# Altium PCB POV_LED.PcbDoc (part 1 of 2)
Units mm, origin at the board's own origin, x right, y up, seen from the top; angles counter-clockwise.
Board outline 40 x 140 mm, 2 copper layers (Top Layer, Bottom Layer); 331 components, 319 nets, 969 pads, 326 vias.
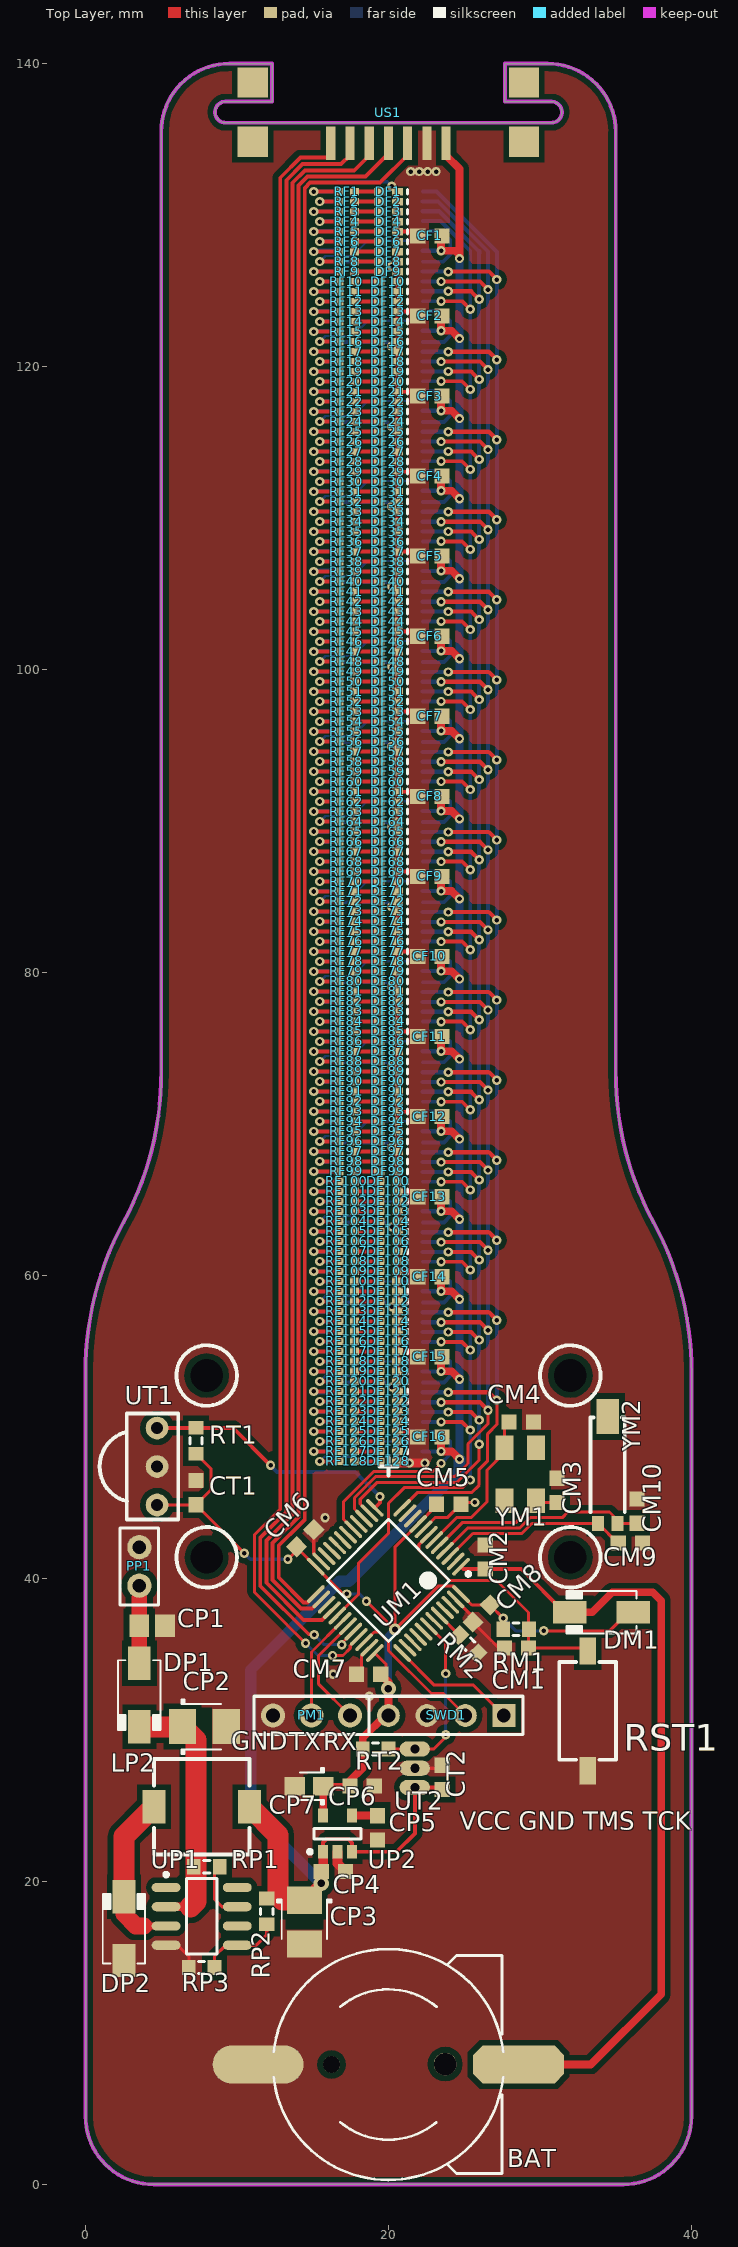
[diagram p0: Top Layer view]
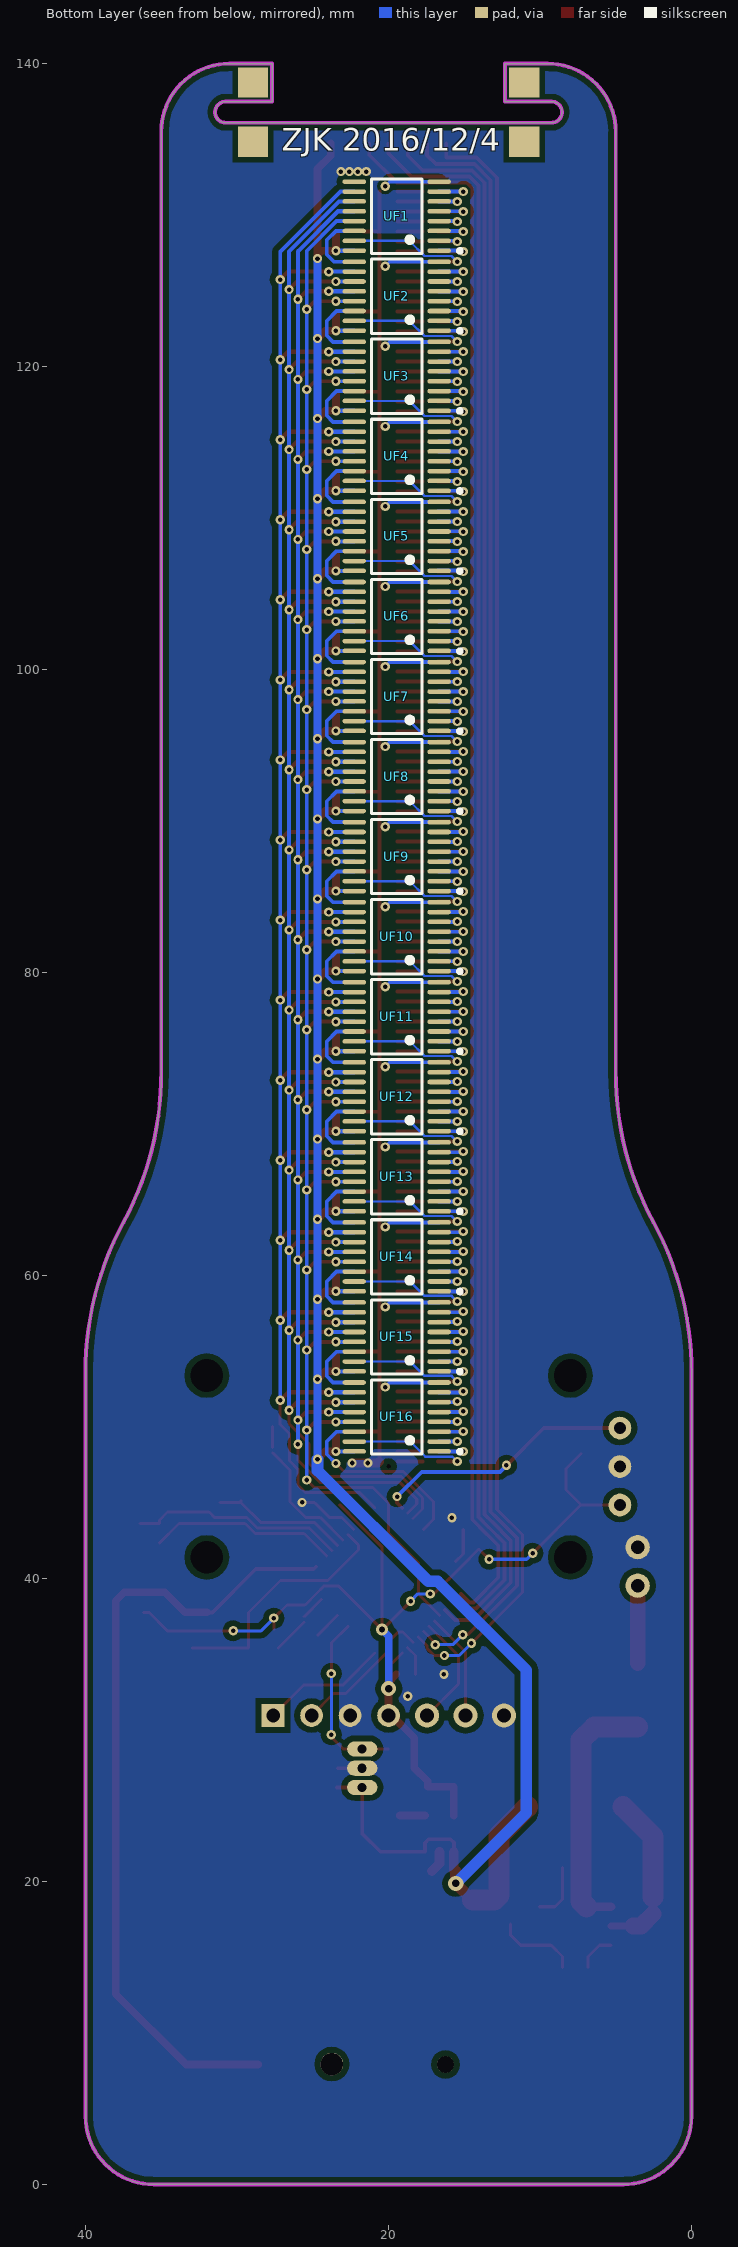
[diagram p1: Bottom Layer view, seen from below]

## Layer stack, top to bottom
Top Layer: signal copper 0.0356
Dielectric: dielectric 0.32, FR-4, Dk 4.8
Bottom Layer: signal copper 0.0356

## Board outline
0,4.5 0,53.5 cw(c20.686,53.641) 2.5,63.5 ccw(c-15.686,73.359) 5,73.5 5,135.5 cw(c9.5,135.5) 9.5,140 12.317,140 12.317,137.488 9.247,137.488 ccw(c9.247,136.788) 9.247,136.088 30.747,136.088 ccw(c30.747,136.788) 30.747,137.488 30.754,137.485 27.683,137.485 27.683,139.998 30.5,140 cw(c30.5,135.5) 35,135.5 35,73.5 ccw(c55.686,73.359) 37.5,63.5 cw(c19.314,53.641) 40,53.5 40,4.5 cw(c35.5,4.5) 35.5,0 4.5,0 cw(c4.5,4.5)

## Design rules (kind name [scope] priority, off if disabled: settings)
Clearance Clearance_1 [InPolygon] p1: gap=0.381
Clearance [All] p2: gap=0.152
PolygonConnect [All] p1: connectstyle=Relief reliefconductorwidth=0.152 reliefentries=4 polygonreliefangle="90 Angle" airgapwidth=-0.381
RoutingVias [All] p1: holewidth=0.711 width=1.27 viastyle="Through Hole" minholewidth=0.711 minwidth=1.27 maxholewidth=0.711 maxwidth=1.27
SolderMaskExpansion [All] p1: expansion=0.102
Width [All] p1: maxlimit=1.524 minlimit=0.152 preferedwidth=0.203
28 further rules are at their usual default settings.

## Classes and differential pairs
component class U_POWER: CP1 CP2 CP3 CP4 CP5 CP6 CP7 DP1 DP2 LP2 PP1 RP1 RP2 RP3 UP1 UP2
component class U_STM32F103C8: BAT CM1 CM2 CM3 CM4 CM5 CM6 CM7 CM8 CM9 CM10 DM1 PM1 RM1 RM2 RST1 SWD1 UM1 YM1 YM2
component class U_SOLID_LED: US1
component class U_FLAT_LED: CF1 CF2 CF3 CF4 CF5 CF6 CF7 CF8 CF9 CF10 CF11 CF12 CF13 CF14 CF15 CF16 DF1 DF2 DF3 DF4 DF5 DF6 DF7 DF8 DF9 DF10 DF11 DF12 DF13 DF14 DF15 DF16 DF17 DF18 DF19 DF20 DF21 DF22 DF23 DF24 DF25 DF26 DF27 DF28 DF29 DF30 DF31 DF32 DF33 DF34 DF35 DF36 DF37 DF38 DF39 DF40 DF41 DF42 DF43 DF44 DF45 DF46 DF47 DF48 DF49 DF50 DF51 DF52 DF53 DF54 DF55 DF56 DF57 DF58 DF59 DF60 DF61 DF62 DF63 DF64 DF65 DF66 DF67 DF68 DF69 DF70 DF71 DF72 DF73 DF74 DF75 DF76 DF77 DF78 DF79 DF80 DF81 DF82 DF83 DF84 DF85 DF86 DF87 DF88 DF89 DF90 DF91 DF92 DF93 DF94 DF95 DF96 DF97 DF98 DF99 DF100 DF101 DF102 DF103 DF104 DF105 DF106 DF107 DF108 DF109 DF110 DF111 DF112 DF113 DF114 DF115 DF116 DF117 DF118 DF119 DF120 DF121 DF122 DF123 DF124 DF125 DF126 DF127 DF128 RF1 RF2 RF3 RF4 RF5 RF6 RF7 RF8 RF9 RF10 RF11 RF12 RF13 RF14 RF15 RF16 RF17 RF18 RF19 RF20 RF21 RF22 RF23 RF24 RF25 RF26 RF27 RF28 RF29 RF30 RF31 RF32 RF33 RF34 RF35 RF36 RF37 RF38 RF39 RF40 RF41 RF42 RF43 RF44 RF45 RF46 RF47 RF48 RF49 RF50 RF51 RF52 RF53 RF54 RF55 RF56 RF57 RF58 RF59 RF60 RF61 RF62 RF63 RF64 RF65 RF66 RF67 RF68 RF69 RF70 RF71 RF72 RF73 RF74 RF75 RF76 RF77 RF78 RF79 RF80 RF81 RF82 RF83 RF84 RF85 RF86 RF87 RF88 RF89 RF90 RF91 RF92 RF93 RF94 RF95 RF96 RF97 RF98 RF99 RF100 RF101 RF102 RF103 RF104 RF105 RF106 RF107 RF108 RF109 RF110 RF111 RF112 RF113 RF114 RF115 RF116 RF117 RF118 RF119 RF120 RF121 RF122 RF123 RF124 RF125 RF126 RF127 RF128 UF1 UF2 UF3 UF4 UF5 UF6 UF7 UF8 UF9 UF10 UF11 UF12 UF13 UF14 UF15 UF16
component class U_SENSOR: CT1 CT2 RT1 RT2 UT1 UT2

## Components (designator, comment, footprint, x,y, rotation, side; value= is the part's Value field where it differs from the comment)
BAT "BATT" BATM 19.99,7.92 r90 top
CF1 "Cap1" CAPC1608N 22.731,128.62 r0 top
CF2 "Cap1" CAPC1608N 22.731,123.335 r0 top
CF3 "Cap1" CAPC1608N 22.731,118.051 r0 top
CF4 "Cap1" CAPC1608N 22.731,112.766 r0 top
CF5 "Cap1" CAPC1608N 22.731,107.481 r0 top
CF6 "Cap1" CAPC1608N 22.731,102.196 r0 top
CF7 "Cap1" CAPC1608N 22.731,96.911 r0 top
CF8 "Cap1" CAPC1608N 22.731,91.626 r0 top
CF9 "Cap1" CAPC1608N 22.731,86.341 r0 top
CF10 "Cap1" CAPC1608N 22.731,81.056 r0 top
CF11 "Cap1" CAPC1608N 22.731,75.771 r0 top
CF12 "Cap1" CAPC1608N 22.731,70.487 r0 top
CF13 "Cap1" CAPC1608N 22.731,65.202 r0 top
CF14 "Cap1" CAPC1608N 22.731,59.917 r0 top
CF15 "Cap1" CAPC1608N 22.731,54.632 r0 top
CF16 "Cap1" CAPC1608N 22.731,49.347 r0 top
CM1 "Cap1" CAPC1608N 28.446,35.402 r0 top
CM2 "Cap1" CAPC1608N 26.391,41.422 r270 top
CM3 "Cap1" CAPC1608N 31.113,45.816 r270 top
CM4 "Cap1" CAPC1608N 28.763,50.338 r180 top
CM5 "Cap1" CAPC1608N 23.975,44.902 r180 top
CM6 "Cap1" CAPC1608N 14.501,42.667 r225 top
CM7 "Cap1" CAPC1608N 18.692,33.675 r0 top
CM8 "Cap1" CAPC1608N 26.134,37.688 r45 top
CM9 "Cap1" CAPC1608N 35.964,42.337 r180 top
CM10 "Cap1" CAPC1608N 36.409,44.445 r270 top
CP1 "Cap1" CAPC2012N 4.394,36.881 r180 top
CP2 "Cap_Tan" CAP_TAN_B1210 7.849,30.221 r0 top
CP3 "Cap_Tan" CAP_TAN_B1210 14.453,17.318 r270 top
CP4 "Cap1" CAPC1608N 16.358,20.67 r180 top
CP5 "Cap1" CAPC1608N 19.279,23.541 r90 top
CP6 "Cap1" CAPC1608N 18.263,26.309 r180 top
CP7 "Cap_Tan" CAP_TAN_P0805 14.757,26.284 r180 top
CT1 "Cap1" CAPC1608N 7.29,45.664 r90 top
CT2 "Cap1" CAPC1608N 23.544,26.868 r90 top
DF1 "" CD1005-0402-L 19.397,131.546 r0 top
DF2 "" CD1005-0402-L 19.397,130.886 r0 top
DF3 "" CD1005-0402-L 19.397,130.226 r0 top
DF4 "" CD1005-0402-L 19.397,129.566 r0 top
DF5 "" CD1005-0402-L 19.397,128.906 r0 top
DF6 "" CD1005-0402-L 19.397,128.247 r0 top
DF7 "" CD1005-0402-L 19.397,127.587 r0 top
DF8 "" CD1005-0402-L 19.397,126.927 r0 top
DF9 "" CD1005-0402-L 19.397,126.267 r0 top
DF10 "" CD1005-0402-L 19.397,125.607 r0 top
DF11 "" CD1005-0402-L 19.397,124.947 r0 top
DF12 "" CD1005-0402-L 19.397,124.287 r0 top
DF13 "" CD1005-0402-L 19.397,123.627 r0 top
DF14 "" CD1005-0402-L 19.397,122.967 r0 top
DF15 "" CD1005-0402-L 19.397,122.307 r0 top
DF16 "" CD1005-0402-L 19.397,121.647 r0 top
DF17 "" CD1005-0402-L 19.397,120.987 r0 top
DF18 "" CD1005-0402-L 19.397,120.327 r0 top
DF19 "" CD1005-0402-L 19.397,119.667 r0 top
DF20 "" CD1005-0402-L 19.397,119.007 r0 top
DF21 "" CD1005-0402-L 19.397,118.347 r0 top
DF22 "" CD1005-0402-L 19.397,117.687 r0 top
DF23 "" CD1005-0402-L 19.397,117.027 r0 top
DF24 "" CD1005-0402-L 19.397,116.367 r0 top
DF25 "" CD1005-0402-L 19.397,115.707 r0 top
DF26 "" CD1005-0402-L 19.397,115.047 r0 top
DF27 "" CD1005-0402-L 19.397,114.387 r0 top
DF28 "" CD1005-0402-L 19.397,113.727 r0 top
DF29 "" CD1005-0402-L 19.397,113.067 r0 top
DF30 "" CD1005-0402-L 19.397,112.407 r0 top
DF31 "" CD1005-0402-L 19.397,111.747 r0 top
DF32 "" CD1005-0402-L 19.397,111.087 r0 top
DF33 "" CD1005-0402-L 19.397,110.427 r0 top
DF34 "" CD1005-0402-L 19.397,109.767 r0 top
DF35 "" CD1005-0402-L 19.397,109.107 r0 top
DF36 "" CD1005-0402-L 19.397,108.447 r0 top
DF37 "" CD1005-0402-L 19.397,107.787 r0 top
DF38 "" CD1005-0402-L 19.397,107.127 r0 top
DF39 "" CD1005-0402-L 19.397,106.467 r0 top
DF40 "" CD1005-0402-L 19.397,105.807 r0 top
DF41 "" CD1005-0402-L 19.397,105.147 r0 top
DF42 "" CD1005-0402-L 19.397,104.487 r0 top
DF43 "" CD1005-0402-L 19.397,103.827 r0 top
DF44 "" CD1005-0402-L 19.397,103.167 r0 top
DF45 "" CD1005-0402-L 19.397,102.507 r0 top
DF46 "" CD1005-0402-L 19.397,101.847 r0 top
DF47 "" CD1005-0402-L 19.397,101.187 r0 top
DF48 "" CD1005-0402-L 19.397,100.527 r0 top
DF49 "" CD1005-0402-L 19.397,99.867 r0 top
DF50 "" CD1005-0402-L 19.397,99.207 r0 top
DF51 "" CD1005-0402-L 19.397,98.547 r0 top
DF52 "" CD1005-0402-L 19.397,97.887 r0 top
DF53 "" CD1005-0402-L 19.397,97.227 r0 top
DF54 "" CD1005-0402-L 19.397,96.567 r0 top
DF55 "" CD1005-0402-L 19.397,95.907 r0 top
DF56 "" CD1005-0402-L 19.397,95.247 r0 top
DF57 "" CD1005-0402-L 19.397,94.587 r0 top
DF58 "" CD1005-0402-L 19.397,93.927 r0 top
DF59 "" CD1005-0402-L 19.397,93.267 r0 top
DF60 "" CD1005-0402-L 19.397,92.607 r0 top
DF61 "" CD1005-0402-L 19.397,91.947 r0 top
DF62 "" CD1005-0402-L 19.397,91.287 r0 top
DF63 "" CD1005-0402-L 19.397,90.627 r0 top
DF64 "" CD1005-0402-L 19.397,89.967 r0 top
DF65 "" CD1005-0402-L 19.397,89.307 r0 top
DF66 "" CD1005-0402-L 19.397,88.647 r0 top
DF67 "" CD1005-0402-L 19.397,87.987 r0 top
DF68 "" CD1005-0402-L 19.397,87.327 r0 top
DF69 "" CD1005-0402-L 19.397,86.667 r0 top
DF70 "" CD1005-0402-L 19.397,86.007 r0 top
DF71 "" CD1005-0402-L 19.397,85.347 r0 top
DF72 "" CD1005-0402-L 19.397,84.687 r0 top
DF73 "" CD1005-0402-L 19.397,84.027 r0 top
DF74 "" CD1005-0402-L 19.397,83.367 r0 top
DF75 "" CD1005-0402-L 19.397,82.707 r0 top
DF76 "" CD1005-0402-L 19.397,82.047 r0 top
DF77 "" CD1005-0402-L 19.397,81.387 r0 top
DF78 "" CD1005-0402-L 19.397,80.727 r0 top
DF79 "" CD1005-0402-L 19.397,80.067 r0 top
DF80 "" CD1005-0402-L 19.397,79.407 r0 top
DF81 "" CD1005-0402-L 19.397,78.747 r0 top
DF82 "" CD1005-0402-L 19.397,78.087 r0 top
DF83 "" CD1005-0402-L 19.397,77.427 r0 top
DF84 "" CD1005-0402-L 19.397,76.767 r0 top
DF85 "" CD1005-0402-L 19.397,76.107 r0 top
DF86 "" CD1005-0402-L 19.397,75.447 r0 top
DF87 "" CD1005-0402-L 19.397,74.787 r0 top
DF88 "" CD1005-0402-L 19.397,74.127 r0 top
DF89 "" CD1005-0402-L 19.397,73.467 r0 top
DF90 "" CD1005-0402-L 19.397,72.807 r0 top
DF91 "" CD1005-0402-L 19.397,72.147 r0 top
DF92 "" CD1005-0402-L 19.397,71.487 r0 top
DF93 "" CD1005-0402-L 19.397,70.827 r0 top
DF94 "" CD1005-0402-L 19.397,70.167 r0 top
DF95 "" CD1005-0402-L 19.397,69.507 r0 top
DF96 "" CD1005-0402-L 19.397,68.847 r0 top
DF97 "" CD1005-0402-L 19.397,68.187 r0 top
DF98 "" CD1005-0402-L 19.397,67.527 r0 top
DF99 "" CD1005-0402-L 19.397,66.867 r0 top
DF100 "" CD1005-0402-L 19.397,66.207 r0 top
DF101 "" CD1005-0402-L 19.397,65.547 r0 top
DF102 "" CD1005-0402-L 19.397,64.887 r0 top
DF103 "" CD1005-0402-L 19.397,64.227 r0 top
DF104 "" CD1005-0402-L 19.397,63.567 r0 top
DF105 "" CD1005-0402-L 19.397,62.907 r0 top
DF106 "" CD1005-0402-L 19.397,62.247 r0 top
DF107 "" CD1005-0402-L 19.397,61.587 r0 top
DF108 "" CD1005-0402-L 19.397,60.927 r0 top
DF109 "" CD1005-0402-L 19.397,60.267 r0 top
DF110 "" CD1005-0402-L 19.397,59.607 r0 top
DF111 "" CD1005-0402-L 19.397,58.947 r0 top
DF112 "" CD1005-0402-L 19.397,58.287 r0 top
DF113 "" CD1005-0402-L 19.397,57.627 r0 top
DF114 "" CD1005-0402-L 19.397,56.967 r0 top
DF115 "" CD1005-0402-L 19.397,56.307 r0 top
DF116 "" CD1005-0402-L 19.397,55.647 r0 top
DF117 "" CD1005-0402-L 19.397,54.987 r0 top
DF118 "" CD1005-0402-L 19.397,54.327 r0 top
DF119 "" CD1005-0402-L 19.397,53.667 r0 top
DF120 "" CD1005-0402-L 19.397,53.007 r0 top
DF121 "" CD1005-0402-L 19.397,52.347 r0 top
DF122 "" CD1005-0402-L 19.397,51.687 r0 top
DF123 "" CD1005-0402-L 19.397,51.027 r0 top
DF124 "" CD1005-0402-L 19.397,50.367 r0 top
DF125 "" CD1005-0402-L 19.397,49.707 r0 top
DF126 "" CD1005-0402-L 19.397,49.047 r0 top
DF127 "" CD1005-0402-L 19.397,48.387 r0 top
DF128 "" CD1005-0402-L 19.397,47.727 r0 top
DM1 "D Schottky" DO-214AC 34.061,37.765 r180 top
DP1 "SS34" DO-214AC 3.556,32.304 r270 top
DP2 "SS34" DO-214AC 2.54,16.886 r90 top
LP2 "Inductor" IND_7032 4.519,24.938 r0 top
PM1 "Header 3" HDR1X3 17.457,30.957 r180 top
PP1 "Header 2" HDR1X2 3.556,42.065 r270 top
RF1 "Res1" RESC1005L-0.5 17.244,131.546 r0 top
RF2 "Res1" RESC1005L-0.5 17.244,130.886 r0 top
RF3 "Res1" RESC1005L-0.5 17.244,130.226 r0 top
RF4 "Res1" RESC1005L-0.5 17.244,129.566 r0 top
RF5 "Res1" RESC1005L-0.5 17.244,128.906 r0 top
RF6 "Res1" RESC1005L-0.5 17.244,128.247 r0 top
RF7 "Res1" RESC1005L-0.5 17.244,127.587 r0 top
RF8 "Res1" RESC1005L-0.5 17.244,126.927 r0 top
RF9 "Res1" RESC1005L-0.5 17.244,126.267 r0 top
RF10 "Res1" RESC1005L-0.5 17.244,125.607 r0 top
RF11 "Res1" RESC1005L-0.5 17.244,124.947 r0 top
RF12 "Res1" RESC1005L-0.5 17.244,124.287 r0 top
RF13 "Res1" RESC1005L-0.5 17.244,123.627 r0 top
RF14 "Res1" RESC1005L-0.5 17.244,122.967 r0 top
RF15 "Res1" RESC1005L-0.5 17.244,122.307 r0 top
RF16 "Res1" RESC1005L-0.5 17.244,121.647 r0 top
RF17 "Res1" RESC1005L-0.5 17.244,120.987 r0 top
RF18 "Res1" RESC1005L-0.5 17.244,120.327 r0 top
RF19 "Res1" RESC1005L-0.5 17.244,119.667 r0 top
RF20 "Res1" RESC1005L-0.5 17.244,119.007 r0 top
RF21 "Res1" RESC1005L-0.5 17.244,118.347 r0 top
RF22 "Res1" RESC1005L-0.5 17.244,117.687 r0 top
RF23 "Res1" RESC1005L-0.5 17.244,117.027 r0 top
RF24 "Res1" RESC1005L-0.5 17.244,116.367 r0 top
RF25 "Res1" RESC1005L-0.5 17.244,115.707 r0 top
RF26 "Res1" RESC1005L-0.5 17.244,115.047 r0 top
RF27 "Res1" RESC1005L-0.5 17.244,114.387 r0 top
RF28 "Res1" RESC1005L-0.5 17.244,113.727 r0 top
RF29 "Res1" RESC1005L-0.5 17.244,113.067 r0 top
RF30 "Res1" RESC1005L-0.5 17.244,112.407 r0 top
RF31 "Res1" RESC1005L-0.5 17.244,111.747 r0 top
RF32 "Res1" RESC1005L-0.5 17.244,111.087 r0 top
RF33 "Res1" RESC1005L-0.5 17.244,110.427 r0 top
RF34 "Res1" RESC1005L-0.5 17.244,109.767 r0 top
RF35 "Res1" RESC1005L-0.5 17.244,109.107 r0 top
RF36 "Res1" RESC1005L-0.5 17.244,108.447 r0 top
RF37 "Res1" RESC1005L-0.5 17.244,107.787 r0 top
RF38 "Res1" RESC1005L-0.5 17.244,107.127 r0 top
RF39 "Res1" RESC1005L-0.5 17.244,106.467 r0 top
RF40 "Res1" RESC1005L-0.5 17.244,105.807 r0 top
RF41 "Res1" RESC1005L-0.5 17.244,105.147 r0 top
RF42 "Res1" RESC1005L-0.5 17.244,104.487 r0 top
RF43 "Res1" RESC1005L-0.5 17.244,103.827 r0 top
RF44 "Res1" RESC1005L-0.5 17.244,103.167 r0 top
RF45 "Res1" RESC1005L-0.5 17.244,102.507 r0 top
RF46 "Res1" RESC1005L-0.5 17.244,101.847 r0 top
RF47 "Res1" RESC1005L-0.5 17.244,101.187 r0 top
RF48 "Res1" RESC1005L-0.5 17.244,100.527 r0 top
RF49 "Res1" RESC1005L-0.5 17.244,99.867 r0 top
RF50 "Res1" RESC1005L-0.5 17.244,99.207 r0 top
RF51 "Res1" RESC1005L-0.5 17.244,98.547 r0 top
RF52 "Res1" RESC1005L-0.5 17.244,97.887 r0 top
RF53 "Res1" RESC1005L-0.5 17.244,97.227 r0 top
RF54 "Res1" RESC1005L-0.5 17.244,96.567 r0 top
RF55 "Res1" RESC1005L-0.5 17.244,95.907 r0 top
RF56 "Res1" RESC1005L-0.5 17.244,95.247 r0 top
RF57 "Res1" RESC1005L-0.5 17.244,94.587 r0 top
RF58 "Res1" RESC1005L-0.5 17.244,93.927 r0 top
RF59 "Res1" RESC1005L-0.5 17.244,93.267 r0 top
RF60 "Res1" RESC1005L-0.5 17.244,92.607 r0 top
RF61 "Res1" RESC1005L-0.5 17.244,91.947 r0 top
RF62 "Res1" RESC1005L-0.5 17.244,91.287 r0 top
RF63 "Res1" RESC1005L-0.5 17.244,90.627 r0 top
RF64 "Res1" RESC1005L-0.5 17.244,89.967 r0 top
RF65 "Res1" RESC1005L-0.5 17.244,89.307 r0 top
RF66 "Res1" RESC1005L-0.5 17.244,88.647 r0 top
RF67 "Res1" RESC1005L-0.5 17.244,87.987 r0 top
RF68 "Res1" RESC1005L-0.5 17.244,87.327 r0 top
RF69 "Res1" RESC1005L-0.5 17.244,86.667 r0 top
RF70 "Res1" RESC1005L-0.5 17.244,86.007 r0 top
RF71 "Res1" RESC1005L-0.5 17.244,85.347 r0 top
RF72 "Res1" RESC1005L-0.5 17.244,84.687 r0 top
RF73 "Res1" RESC1005L-0.5 17.244,84.027 r0 top
RF74 "Res1" RESC1005L-0.5 17.244,83.367 r0 top
RF75 "Res1" RESC1005L-0.5 17.244,82.707 r0 top
RF76 "Res1" RESC1005L-0.5 17.244,82.047 r0 top
RF77 "Res1" RESC1005L-0.5 17.244,81.387 r0 top
RF78 "Res1" RESC1005L-0.5 17.244,80.727 r0 top
RF79 "Res1" RESC1005L-0.5 17.244,80.067 r0 top
RF80 "Res1" RESC1005L-0.5 17.244,79.407 r0 top
RF81 "Res1" RESC1005L-0.5 17.244,78.747 r0 top
RF82 "Res1" RESC1005L-0.5 17.244,78.087 r0 top
RF83 "Res1" RESC1005L-0.5 17.244,77.427 r0 top
RF84 "Res1" RESC1005L-0.5 17.244,76.767 r0 top
RF85 "Res1" RESC1005L-0.5 17.244,76.107 r0 top
RF86 "Res1" RESC1005L-0.5 17.244,75.447 r0 top
RF87 "Res1" RESC1005L-0.5 17.244,74.787 r0 top
RF88 "Res1" RESC1005L-0.5 17.244,74.127 r0 top
RF89 "Res1" RESC1005L-0.5 17.244,73.467 r0 top
RF90 "Res1" RESC1005L-0.5 17.244,72.807 r0 top
RF91 "Res1" RESC1005L-0.5 17.244,72.147 r0 top
RF92 "Res1" RESC1005L-0.5 17.244,71.487 r0 top
RF93 "Res1" RESC1005L-0.5 17.244,70.827 r0 top
RF94 "Res1" RESC1005L-0.5 17.244,70.167 r0 top
RF95 "Res1" RESC1005L-0.5 17.244,69.507 r0 top
RF96 "Res1" RESC1005L-0.5 17.244,68.847 r0 top
RF97 "Res1" RESC1005L-0.5 17.244,68.187 r0 top
RF98 "Res1" RESC1005L-0.5 17.244,67.527 r0 top
RF99 "Res1" RESC1005L-0.5 17.244,66.867 r0 top
RF100 "Res1" RESC1005L-0.5 17.244,66.207 r0 top
RF101 "Res1" RESC1005L-0.5 17.244,65.547 r0 top
RF102 "Res1" RESC1005L-0.5 17.244,64.887 r0 top
RF103 "Res1" RESC1005L-0.5 17.244,64.227 r0 top
RF104 "Res1" RESC1005L-0.5 17.244,63.567 r0 top
RF105 "Res1" RESC1005L-0.5 17.244,62.907 r0 top
RF106 "Res1" RESC1005L-0.5 17.244,62.247 r0 top
RF107 "Res1" RESC1005L-0.5 17.244,61.587 r0 top
RF108 "Res1" RESC1005L-0.5 17.244,60.927 r0 top
RF109 "Res1" RESC1005L-0.5 17.244,60.267 r0 top
RF110 "Res1" RESC1005L-0.5 17.244,59.607 r0 top
RF111 "Res1" RESC1005L-0.5 17.244,58.947 r0 top
RF112 "Res1" RESC1005L-0.5 17.244,58.287 r0 top
RF113 "Res1" RESC1005L-0.5 17.244,57.627 r0 top
RF114 "Res1" RESC1005L-0.5 17.244,56.967 r0 top
RF115 "Res1" RESC1005L-0.5 17.244,56.307 r0 top
RF116 "Res1" RESC1005L-0.5 17.244,55.647 r0 top
RF117 "Res1" RESC1005L-0.5 17.244,54.987 r0 top
RF118 "Res1" RESC1005L-0.5 17.244,54.327 r0 top
RF119 "Res1" RESC1005L-0.5 17.244,53.667 r0 top
RF120 "Res1" RESC1005L-0.5 17.244,53.007 r0 top
RF121 "Res1" RESC1005L-0.5 17.244,52.347 r0 top
RF122 "Res1" RESC1005L-0.5 17.244,51.687 r0 top
RF123 "Res1" RESC1005L-0.5 17.244,51.027 r0 top
RF124 "Res1" RESC1005L-0.5 17.244,50.367 r0 top
RF125 "Res1" RESC1005L-0.5 17.244,49.707 r0 top
RF126 "Res1" RESC1005L-0.5 17.244,49.047 r0 top
RF127 "Res1" RESC1005L-0.5 17.244,48.387 r0 top
RF128 "Res1" RESC1005L-0.5 17.244,47.727 r0 top
RM1 "Res1" RESC1608N 28.42,36.647 r180 top
RM2 "Res1" RESC1608N 25.271,35.656 r315 top
RP1 "Res1" RESC1608N 8.001,20.975 r0 top
RP2 "Res1" RESC1608N 11.961,18.029 r90 top
RP3 "Res1" RESC1608N 7.669,14.32 r0 top
RST1 "SW-PB" SW-3x6 33.147,27.314 r90 top
RT1 "Res1" RESC1608N 7.29,49.093 r90 top
RT2 "Res1" RESC1608N 19.149,28.748 r0 top
SWD1 "Header 4" HDR1X4 27.617,30.957 r180 top
UF1 "74HC595" TSSOP-16N 19.835,129.921 r0 bottom
UF2 "74HC595" TSSOP-16N 19.835,124.638 r0 bottom
UF3 "74HC595" TSSOP-16N 19.835,119.354 r0 bottom
UF4 "74HC595" TSSOP-16N 19.835,114.07 r0 bottom
UF5 "74HC595" TSSOP-16N 19.835,108.786 r0 bottom
UF6 "74HC595" TSSOP-16N 19.835,103.502 r0 bottom
UF7 "74HC595" TSSOP-16N 19.835,98.218 r0 bottom
UF8 "74HC595" TSSOP-16N 19.835,92.934 r0 bottom
UF9 "74HC595" TSSOP-16N 19.835,87.65 r0 bottom
UF10 "74HC595" TSSOP-16N 19.835,82.366 r0 bottom
UF11 "74HC595" TSSOP-16N 19.835,77.082 r0 bottom
UF12 "74HC595" TSSOP-16N 19.835,71.798 r0 bottom
UF13 "74HC595" TSSOP-16N 19.835,66.514 r0 bottom
UF14 "74HC595" TSSOP-16N 19.835,61.23 r0 bottom
UF15 "74HC595" TSSOP-16N 19.835,55.946 r0 bottom
UF16 "74HC595" TSSOP-16N 19.835,50.662 r0 bottom
UM1 "STM32F103C8T6" LQFP48_L 19.997,39.873 r225 top
UP1 "XKT-3168" SOP8_L 7.669,17.699 r0 top
UP2 "3.3vLDO" SOT23-5_L 16.637,23.16 r90 top
US1 "SOLID_LED1" SOLID_LED1 23.807,134.735 r180 top
UT1 "HS0038" HS0038 4.724,49.931 r270 top
UT2 "A3144E" A3144E 21.738,27.478 r0 top
YM1 "8MHz" XTAL-5032 27.646,48.636 r270 top
YM2 "32.768KHz" "XTAL-206 - duplicate" 33.831,43.632 r0 top

## Footprints (in the part's own frame and the unit in brackets; to place one, negate y for a bottom-side part, rotate by r counter-clockwise, add the part's x,y. Pads: shape width x height; smd on the part's side, far side on the other; paste and mask are expansions set on the pad)
A3144E [mm]
  oval 2x1 hole 0.6: 1(0,-1.27) 2(0,0) 3(0,1.27)